# Altium PCB wifi-module.PcbDoc (part 1 of 2) (continued)
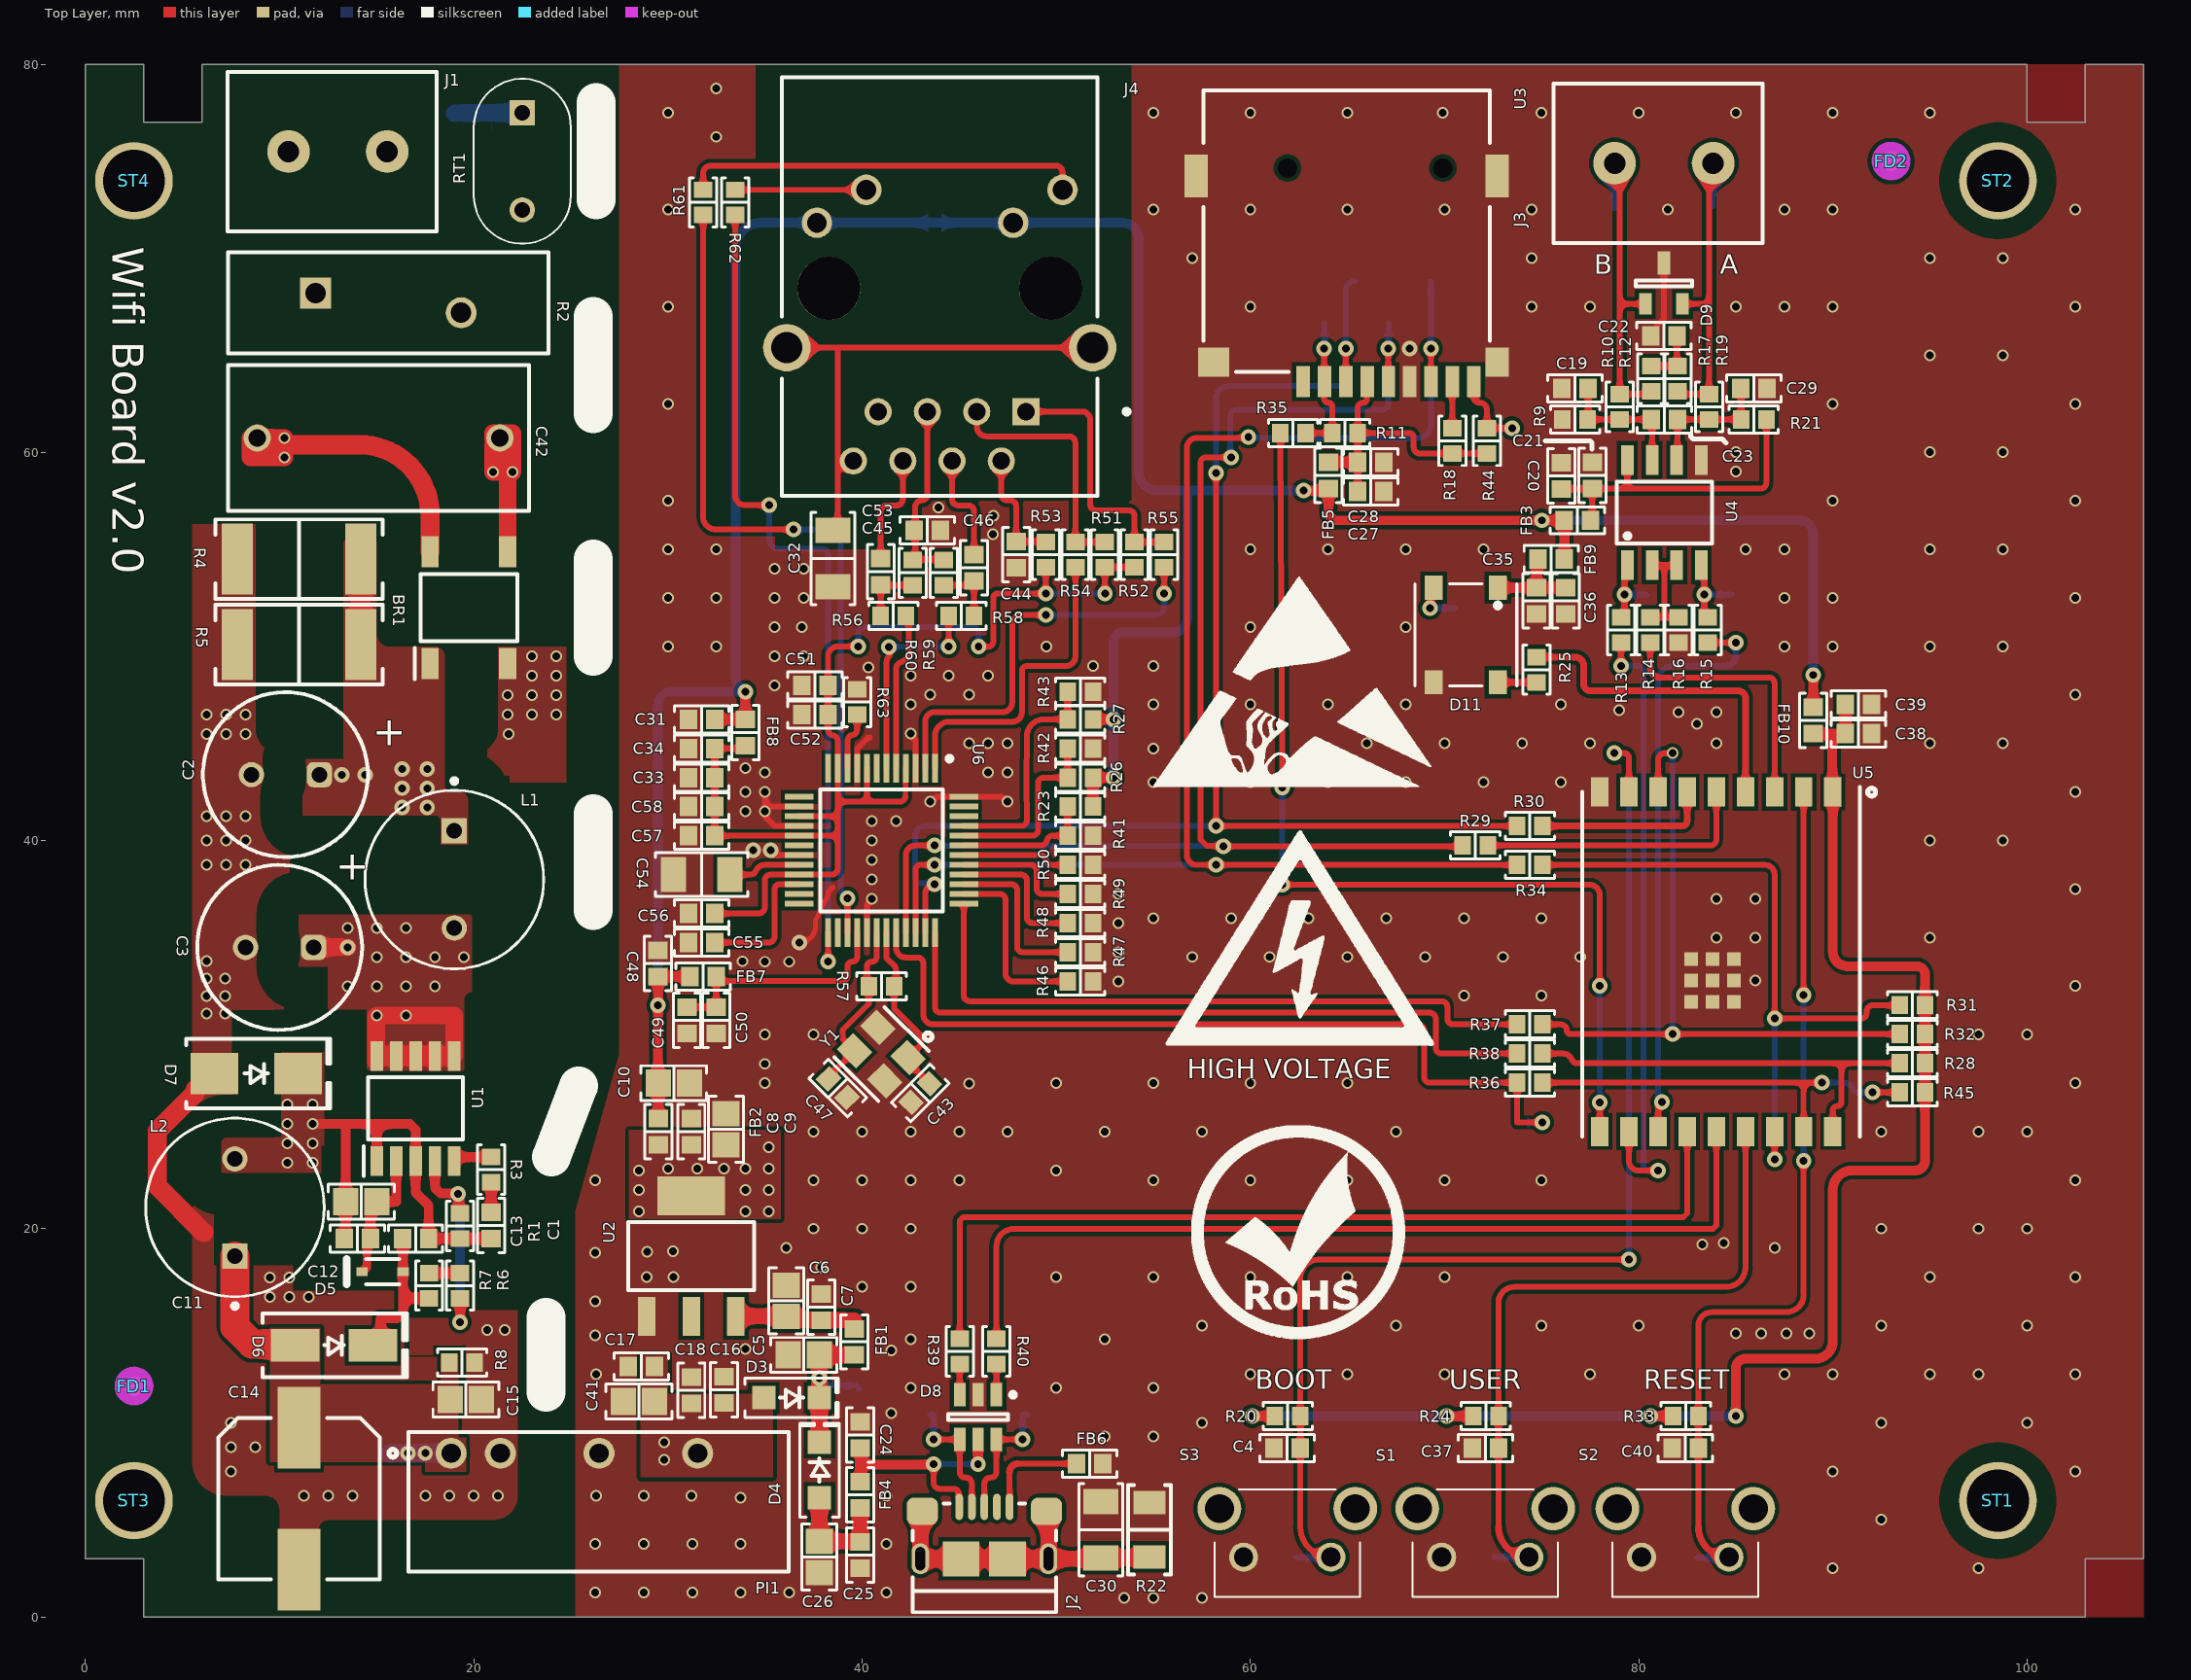
[diagram p0: Top Layer view]
## Components (designator, comment, footprint, x,y, rotation, side; value= is the part's Value field where it differs from the comment) (continued)
R28 "RC0603FR-0710KL" "RES 0603_1608" 94.096,28.53 r0 top value="10 kOhms"
R29 "RC0603FR-0722RL" "RES 0603_1608" 71.579,39.75 r180 top value="22 Ohms"
R30 "RC0603FR-0722RL" "RES 0603_1608" 74.396,40.75 r180 top value="22 Ohms"
R31 "RC0603FR-0710KL" "RES 0603_1608" 94.096,31.53 r180 top value="10 kOhms"
R32 "RC0603FR-0710KL" "RES 0603_1608" 94.096,30.03 r180 top value="10 kOhms"
R33 "RC0603FR-0710KL" "RES 0603_1608" 82.425,10.35 r180 top value="10 kOhms"
R34 "RC0603FR-0722RL" "RES 0603_1608" 74.396,38.75 r180 top value="22 Ohms"
R35 "RC0603FR-0722RL" "RES 0603_1608" 62.2,61 r0 top value="22 Ohms"
R36 "RC0603FR-0722RL" "RES 0603_1608" 74.396,27.53 r180 top value="22 Ohms"
R37 "RC0603FR-0722RL" "RES 0603_1608" 74.396,30.53 r180 top value="22 Ohms"
R38 "RC0603FR-0722RL" "RES 0603_1608" 74.396,29.03 r180 top value="22 Ohms"
R39 "RC0603FR-0722RL" "RES 0603_1608" 45.025,13.691 r270 top value="22 Ohms"
R40 "RC0603FR-0722RL" "RES 0603_1608" 46.92,13.691 r270 top value="22 Ohms"
R41 "RC0603FR-0710KL" "RES 0603_1608" 51.238,40.25 r180 top value="10 kOhms"
R42 "RC0603FR-0710KL" "RES 0603_1608" 51.238,44.75 r180 top value="10 kOhms"
R43 "RC0603FR-0710KL" "RES 0603_1608" 51.238,47.665 r180 top value="10 kOhms"
R44 "RC0603FR-0710KL" "RES 0603_1608" 72.189,60.6 r90 top value="10 kOhms"
R45 "RC0603FR-0710KL" "RES 0603_1608" 94.096,27.03 r0 top value="10 kOhms"
R46 "RC0603FR-0710KL" "RES 0603_1608" 51.238,32.75 r0 top value="10 kOhms"
R47 "RC0603FR-0710KL" "RES 0603_1608" 51.238,34.25 r0 top value="10 kOhms"
R48 "RC0603FR-0710KL" "RES 0603_1608" 51.238,35.75 r0 top value="10 kOhms"
R49 "RC0603FR-0710KL" "RES 0603_1608" 51.238,37.25 r0 top value="10 kOhms"
R50 "RC0603FR-0710KL" "RES 0603_1608" 51.238,38.75 r0 top value="10 kOhms"
R51 "RC0603FR-0749R9L" "RES 0603_1608" 52.509,54.734 r270 top value="49.9 Ohms"
R52 "RC0603FR-0749R9L" "RES 0603_1608" 54.033,54.734 r270 top value="49.9 Ohms"
R53 "RC0603FR-0710RL" "RES 0603_1608" 49.461,54.734 r270 top value="10 Ohms"
R54 "RC0603FR-0722RL" "RES 0603_1608" 50.985,54.734 r90 top value="22 Ohms"
R55 "RC0603FR-0722RL" "RES 0603_1608" 55.557,54.734 r90 top value="22 Ohms"
R56 "RC0603FR-0722RL" "RES 0603_1608" 41.615,51.588 r180 top value="22 Ohms"
R57 "RC0603FR-071ML" "RES 0603_1608" 41,32.5 r0 top value="1 MOhms"
R58 "RC0603FR-0722RL" "RES 0603_1608" 45.115,51.588 r0 top value="22 Ohms"
R59 "RC0603FR-0749R9L" "RES 0603_1608" 44.2,53.8 r270 top value="49.9 Ohms"
R60 "RC0603FR-0749R9L" "RES 0603_1608" 42.6,53.8 r270 top value="49.9 Ohms"
R61 "RC0603FR-071KL" "RES 0603_1608" 31.815,72.88 r270 top value="1 kOhms"
R62 "RC0603FR-071KL" "RES 0603_1608" 33.465,72.88 r270 top value="1 kOhms"
R63 "RC0603FR-0712K4L" "RES 0603_1608" 39.75,47.138 r270 top value="12.4 kOhms"
RT1 "B57153S0100M000" B57153S0100M000-Footprint-1 22.5,77.5 r270 top
S1 "KLS7-TS6606-8.0-180" KLS7TS660680180 72.1,3.81 r0 top
S2 "KLS7-TS6606-8.0-180" KLS7TS660680180 82.4,3.81 r0 top
S3 "KLS7-TS6606-8.0-180" KLS7TS660680180 61.9,3.81 r0 top
ST1 "PTH-M2D5X5" PTH-M2D5X5#1 103,6 r0 top
ST2 "PTH-M2D5X5" PTH-M2D5X5#2 103,73 r0 top
ST3 "PTH-M2D5X5" PTH-M2D5X5#3 4,9 r0 top
ST4 "PTH-M2D5X5" PTH-M2D5X5#4 5,73 r0 top
TP1 "TPAD1200" TPAD1200#1 19,77.5 r90 bottom
TP2 "TPAD1200" TPAD1200#1 43.762,71.854 r0 bottom
TP3 "TPAD1200" TPAD1200#1 33.674,8.416 r90 bottom
TP4 "TPAD1200" TPAD1200#1 43.475,10.436 r90 bottom
TP5 "TPAD1200" TPAD1200#1 48.475,10.436 r90 bottom
TP6 "TPAD1200" TPAD1200#1 78.71,72.6 r90 bottom
TP7 "TPAD1200" TPAD1200#1 83.79,72.7 r90 bottom
TP8 "TPAD1200" TPAD1200#1 67.1,66.65 r90 bottom
TP9 "TPAD1200" TPAD1200#1 65.375,68.85 r90 bottom
TP10 "TPAD1200" TPAD1200#1 69.3,68.85 r90 bottom
TP11 "TPAD1200" TPAD1200#2 73.77,25.414 r270 bottom
TP12 "TPAD1200" TPAD1200#1 63.8,66.65 r90 bottom
TP13 "TPAD1200" TPAD1200#1 84.8,52.7 r90 bottom
TP14 "TPAD1200" TPAD1200#1 80.365,52.675 r90 bottom
TP15 "TPAD1200" TPAD1200#3 60,25.01 r90 top
TP16 "TPAD1200" TPAD1200#3 98,16.26 r90 top
TP17 "TPAD1200" TPAD1200#1 14.676,42.016 r90 bottom
TP18 "TPAD1200" TPAD1200#1 18.551,30.966 r90 bottom
TP19 "TPAD1200" TPAD1200#4 62.346,3.075 r90 bottom
TP20 "TPAD1200" TPAD1200#5 83.07,3.059 r270 bottom
TP21 "TPAD1200" TPAD1200#1 15.68,8.44 r90 bottom
TP22 "TPAD1200" TPAD1200#1 39.849,11.766 r90 bottom
TP23 "TPAD1200" TPAD1200#1 8.875,62.15 r90 bottom
TP24 "TPAD1200" TPAD1200#1 23.276,44.516 r90 bottom
TP25 "TPAD1200" TPAD1200#1 6.375,12.55 r90 bottom
TP26 "TPAD1200" TPAD1200#6 72.189,61.25 r90 bottom
TP27 "TPAD1200" TPAD1200#1 42.325,7.85 r90 bottom
TP28 "TPAD1200" TPAD1200#1 70.53,51.96 r180 bottom
TP29 "TPAD1200" TPAD1200#1 72.5,3.1 r90 bottom
U1 "VIPER115LSTR" VIPER115LSTR-Footprint-1 17,26.2 r90 top
U2 "AZ1117IH-3.3TRG1" SOT-223-3 31.2,18.6 r90 top
U3 "XKTF-N02-N" MicroSD 64.912,71.4 r180 top
U4 "SP3485EN-L/TR" SP3485EN-L_TR-Footprint-1 81.325,56.9 r90 top
U5 "ESP32-C3-WROOM-02U-N4" ESP32C3WROOM02UN4 84.25,33.76 r270 top
U6 "W5500" "48-LQFP (7x7)" 41,39.5 r270 top
Y1 "ABM8G-25.000MHZ-18-D2Y-T" FP-ABM8G-MFG 41,29 r135 top

## Footprints (in the part's own frame and the unit in brackets; to place one, negate y for a bottom-side part, rotate by r counter-clockwise, add the part's x,y. Pads: shape width x height; smd on the part's side, far side on the other; paste and mask are expansions set on the pad)
"48-LQFP (7x7)" [mm]
  rect 1.475x0.3 smd: 1(-4.238,2.75) 2(-4.238,2.25) 3(-4.238,1.75) 4(-4.238,1.25) 5(-4.238,0.75) 6(-4.238,0.25) 7(-4.238,-0.25) 8(-4.238,-0.75) 9(-4.238,-1.25) 10(-4.238,-1.75) 11(-4.238,-2.25) 12(-4.238,-2.75) 25(4.238,-2.75) 26(4.238,-2.25) 27(4.238,-1.75) 28(4.238,-1.25) 29(4.238,-0.75) 30(4.238,-0.25) 31(4.238,0.25) 32(4.238,0.75) 33(4.238,1.25) 34(4.238,1.75) 35(4.238,2.25) 36(4.238,2.75)
  rect 0.3x1.475 smd: 13(-2.75,-4.238) 14(-2.25,-4.238) 15(-1.75,-4.238) 16(-1.25,-4.238) 17(-0.75,-4.238) 18(-0.25,-4.238) 19(0.25,-4.238) 20(0.75,-4.238) 21(1.25,-4.238) 22(1.75,-4.238) 23(2.25,-4.238) 24(2.75,-4.238) 37(2.75,4.238) 38(2.25,4.238) 39(1.75,4.238) 40(1.25,4.238) 41(0.75,4.238) 42(0.25,4.238) 43(-0.25,4.238) 44(-0.75,4.238) 45(-1.25,4.238) 46(-1.75,4.238) 47(-2.25,4.238) 48(-2.75,4.238)
  silkscreen extent -4.85,-3.15 3.15,3.63, body extent -4.5,-4.5 4.5,4.5, height 1.6
B0505S [mm] "SIP-4"
  round 1.6 hole 1: 1(-7.62,2.54) 2(-5.08,2.54) 4(0,2.54) 6(5.08,2.54)
  silkscreen extent -10.82,-3.56 9.78,3.64
B57153S0100M000-Footprint-1 [mm]
  rect 1.3x1.3 hole 0.8: 1(0,0)
  round 1.3 hole 0.8: 2(5,0)
  silkscreen extent -1.75,-2.5 6.75,2.5, body extent -1.83,-2.54 6.67,2.54, height 11.7
"CAP 0603_1608" [mm] "Chip Capacitor, 2-Leads, Body 1.60x0.80mm, IPC Medium Density"
  rect 0.9x1 smd: 1(-0.675,0) 2(0.675,0)
  silkscreen extent -1.4,-0.7 1.4,0.7, body extent -0.8,-0.41 0.8,0.41, height 0.82
"CAP 0805_2012" [mm] "Chip Capacitor, 2-Leads, Body 2.00x1.20mm, IPC Medium Density"
  rect 1.3x1.4 smd: 1(-0.8,0) 2(0.8,0)
  silkscreen extent -1.7,-0.9 1.7,0.9, body extent -1,-0.64 1,0.64, height 1.26
"CAP 1206_3216 - 0.8MM" [mm] "Chip Capacitor, 2-Leads, Body 3.25x1.60mm, IPC Medium Density"
  rect 1.3x1.8 smd: 1(-1.45,0) 2(1.45,0)
  silkscreen extent -2.37,-1.13 2.37,1.12, body extent -1.6,-0.8 1.6,0.8, height 0.8
"CAP ALSMD POLY 8.3MM H6.0MM" [mm] "Aluminum Electrolytic Capacitor, Body 8.30x8.30x6.0mm"
  rect 4.2x2.2 smd: 1(-3.65,0) 2(3.65,0)
  silkscreen extent -4.15,-4.15 4.15,4.15, body extent -4.5,-4.15 4.5,4.15, height 6
COM-16347-Footprint-1 [mm]
  rect 1.239x0.939 smd paste+0 mask+0: 1(-2.436,1.65) 2(-2.436,-1.65) 3(2.436,-1.65) 4(2.436,1.65)
  silkscreen extent -2.63,-2.63 2.63,2.63, body extent -2.71,-2.5 2.71,2.5, height 1.6
DIOD-SOD323-2-A_V [mm] "SOD-323, 2-Leads, Body 1.7x1.3mm, Lead Span 2.5mm"
  rect 0.59x0.45 smd: 1(-1.055,0) 2(1.055,0)
  silkscreen extent -0.85,-0.65 1.85,0.65, body extent -1.24,-0.7 1.24,0.7, height 1.2
"DO214AA SMB" [mm] "Molded Diode, 2-Leads, Body 4.31x3.62mm, IPC Medium Density"
  rect 2.45x2.15 smd: 1(-2.15,0) 2(2.15,0)
  silkscreen extent -3.6,-1.8 3.8,1.8, body extent -2.6,-1.8 2.6,1.8, height 2.4
"DO214AC SMA" [mm] "Molded Diode, 2-Leads, Body 4.30x2.60mm, IPC Medium Density"
  rect 2.5x1.7 smd: 1(-2,0) 2(2,0)
  silkscreen extent -3.68,-1.65 3.75,1.65, body extent -2.6,-1.37 2.6,1.37, height 2.4
ESP32C3WROOM02UN4 [mm]
  rect 1.5x0.9 smd: 1(-8.75,5.75) 2(-8.75,4.25) 3(-8.75,2.75) 4(-8.75,1.25) 5(-8.75,-0.25) 6(-8.75,-1.75) 7(-8.75,-3.25) 8(-8.75,-4.75) 9(-8.75,-6.25) 10(8.75,-6.25) 11(8.75,-4.75) 12(8.75,-3.25) 13(8.75,-1.75) 14(8.75,-0.25) 15(8.75,1.25) 16(8.75,2.75) 17(8.75,4.25) 18(8.75,5.75)
  rect 0.7x0.7 smd: 19(-0.14,-0.45) 19(-0.14,-1.55) 19(-0.14,0.65) 19(0.96,0.65) 19(0.96,-0.45) 19(0.96,-1.55) 19(2.06,-1.55) 19(2.06,-0.45) 19(2.06,0.65)
  silkscreen extent -9,-7.15 9,7.15, body extent -9,-7.35 9,6.95, height 3.21
"FCI USB 10118193-0001LF" [mm] "USB 2.0 Type B Micro"
  oval 0.4x1.35 smd: 1(1.3,-2.625) 2(0.65,-2.625) 3(0,-2.625) 4(-0.65,-2.625) 5(-1.3,-2.625)
  oval 0.9x1.6 hole 0.5 slot 1.2 at 90 deg: S(-3.3,0.05) S(3.3,0.05)
  rrect50% 1.6x1.4 smd: S(-3.2,-2.4) S(3.2,-2.4)
  rect 1.9x1.8 smd: S(-1.2,0.05) S(1.2,0.05)
  silkscreen extent -3.7,-2.8 3.7,2.8, body extent -3.93,-2.9 3.93,2.76, height 2.78
"FER 0603_1608" [mm] "Chip Ferrite, 2-Leads, Body 1.60x0.80mm, IPC Medium Density"
  rect 0.9x1 smd: 1(-0.675,0) 2(0.675,0)
  silkscreen extent -1.4,-0.7 1.4,0.7, body extent -0.8,-0.41 0.8,0.41, height 0.82
FID1X2R [mm] "Fiducial - Round 1x2mm"
  round 1 smd paste-0.5 mask+0.5: 0(0,0)
  Top Layer keep-out circle w1: c0,0 r0.5
FP-ABM8G-MFG [mm]
  rect 1.4x1.2 smd paste+0 mask+0: 1(-1.1,-0.85) 2(1.1,-0.85) 3(1.1,0.85) 4(-1.1,0.85)
  silkscreen extent -1.6,-1.82 1.6,1.83, body extent -1.9,-1.55 1.9,1.55, height 0.25
FP-J1B1211CCD-MFG [mm]
  rect 1.4x1.4 hole 0.9 paste-2539.97 mask+0: 1(-4.445,6.45)
  round 1.4 hole 0.9 paste-2539.97 mask+0: 2(-3.175,8.99) 3(-1.905,6.45) 4(-0.635,8.99) 5(0.635,6.45) 6(1.905,8.99) 7(3.175,6.45) 8(4.445,8.99)
  round 1.57 hole 1.02 paste-2539.97 mask+0: 9(-6.325,-4.98) 10(-3.785,-3.28) 11(3.785,-4.98) 12(6.325,-3.28)
  round 2.45 hole 1.6 paste-2539.97 mask+0: 13(-7.875,3.15) 14(7.875,3.15)
  round 3.25 hole 3.25 unplated paste-2539.97 mask+0: ""(-5.715,0.1) ""(5.715,0.1)
  silkscreen extent -9.75,-10.78 8.13,10.78, body extent -9.2,-10.87 9.2,10.87, height 0.25
FP-MOV-14D431K-MFG [mm]
  rect 1.6x1.6 hole 1.05 paste-2539.97 mask+0: 1(-3.75,0.5)
  round 1.6 hole 1.05 paste-2539.97 mask+0: 2(3.75,-0.5)
  silkscreen extent -8.25,-2.6 8.25,2.6, body extent -8.35,-2.7 8.35,2.7, height 0.25
FP-RLB0914-MFG [mm]
  rect 1.3x1.3 hole 0.8 paste-2539.97 mask+0: 1(-2.5,0)
  round 1.3 hole 0.8 paste-2539.97 mask+0: 2(2.5,0)
  silkscreen extent -5.2,-4.6 4.6,4.6, body extent -4.7,-4.7 4.7,4.7, height 0.25
KLS7TS660680180 [mm]
  round 1.5 hole 1: 1(-2.25,-0.725) 2(2.25,-0.725)
  round 2.25 hole 1.5: 3(-3.5,1.775) 4(3.5,1.775)
  silkscreen extent -3.75,-2.78 3.75,2.78, body extent -4.2,-5.25 4.2,3.5, height 7
MicroSD [mm]
  rect 0.7x1.6 smd: 1(2.2,7.75) 2(1.1,7.75) 3(0,7.75) 4(-1.1,7.75) 5(-2.2,7.75) 6(-3.3,7.75) 7(-4.4,7.75) 8(-5.5,7.75) CD1(-6.6,7.75)
  rect 1.2x1.5 smd: G1(-7.8,6.75)
  rect 1.2x2.2 smd: G2(-7.8,-2.85) G3(7.7,-2.85)
  rect 1.6x1.5 smd: G4(6.8,6.75)
  round 0.5 hole 1 unplated: MH1(-5,-3.25) MH2(3,-3.25)
  silkscreen extent -7.42,-7.25 7.33,7.25, body extent -8.22,-7.19 7.92,8, height 1.85
PTH-M2D5X5#1 [mm]
  round 4 hole 3.2: 1(-4.5,0)
PTH-M2D5X5#2 [mm]
  round 4 hole 3.2: 2(-4.5,1)
PTH-M2D5X5#3 [mm]
  round 4 hole 3.2: 1(-1.5,-3)
PTH-M2D5X5#4 [mm]
  round 4 hole 3.2: 1(-2.5,1)
"RES 0603_1608" [mm] "Chip Resistor, 2-Leads, Body 1.60x0.80mm, IPC Medium Density"
  rect 0.85x0.95 smd: 1(-0.65,0) 2(0.65,0)
  silkscreen extent -1.27,-0.7 1.27,0.7, body extent -0.8,-0.4 0.8,0.4, height 0.45
"RES 1206_3216" [mm] "Chip Resistor, 2-Leads, Body 3.13x1.55mm, IPC Medium Density"
  rect 1.2x1.65 smd: 1(-1.4,0) 2(1.4,0)
  silkscreen extent -2.3,-1.1 2.3,1.1, body extent -1.6,-0.8 1.6,0.8, height 0.6
"RES 2512_6432" [mm] "Chip Resistor, 2-Leads, Body 6.30x3.15mm, IPC Medium Density"
  rect 1.6x3.65 smd: 1(-3.175,0) 2(3.175,0)
  silkscreen extent -4.3,-2.05 4.3,2.05, body extent -3.15,-1.57 3.15,1.57, height 0.7
SOD123F [mm] "SODFL, 2-Leads, Body 1.60x3.50mm, IPC Medium Density"
  rect 1.2x1.2 smd: 1(-1.43,0) 2(1.43,0)
  silkscreen extent -2.41,-1.02 2.41,1.02, body extent -1.75,-0.8 1.75,0.8, height 1.1
SOP400P630X160-4N [mm]
  rect 1.6x0.9 smd: 1(-2.875,2) 2(-2.875,-2) 3(2.875,-2) 4(2.875,2)
  silkscreen extent -3.68,-2.5 1.73,2.8, body extent -3.15,-2.5 3.15,2.5, height 1.6
SOT-23-3 [mm]
  rect 1.1x0.65 smd: 1(-1.05,0.96) 2(-1.05,-0.96)
  rect 1.2x0.65 smd: 3(1.05,0)
  silkscreen extent -0.15,-1.45 0.15,1.45, body extent -1.2,-1.45 1.2,1.45, height 1.1
SOT-223-3 [mm]
  rect 2x0.9 smd: 1(-3.1,2.3) 2(-3.1,0) 3(-3.1,-2.3)
  rect 2x3.5 smd: 2(3.1,0)
  silkscreen extent -1.75,-3.25 1.75,3.25, body extent -3.5,-3.25 3.5,3.25, height 1.8
SP3485EN-L_TR-Footprint-1 [mm]
  rect 1.525x0.65 smd: 1(-2.712,1.905) 2(-2.712,0.635) 3(-2.712,-0.635) 4(-2.712,-1.905) 5(2.712,-1.905) 6(2.712,-0.635) 7(2.712,0.635) 8(2.712,1.905)
  silkscreen extent -1.6,-2.45 1.6,2.45, body extent -3,-2.45 3,2.45, height 1.75
STM-SOT23-6L_V [mm] "SOT23, 6-Leads, Body 3.05x1.75mm, Pitch 0.95mm"
  rect 1.2x0.6 smd: 1(-1.15,0.95) 2(-1.15,0) 3(-1.15,-0.95) 4(1.15,-0.95) 5(1.15,0) 6(1.15,0.95)
  silkscreen extent -1.27,-1.55 0.15,1.93, body extent -1.6,-1.53 1.6,1.53, height 1.45
"TE 282837-2" [mm] "Wire to Board Terminal Block Horizontal with Board, 2 Postions, Body 10.76x8.2 mm, Pitch 5.08mm"
  round 2.2 hole 1.1: 1(-2.54,0) 2(2.54,0)
  silkscreen extent -5.08,-4.1 5.68,4.1, body extent -5.08,-4.1 5.68,4.1, height 10.3
TPAD1200#1 [mm] "1.2mm round"
  round 1.2 smd paste-1: 1(-0.016,0.024)
TPAD1200#2 [mm] "1.2mm round"
  round 1.2 smd paste-1: 1(-0.066,0.024)
TPAD1200#3 [mm] "1.2mm round"
  round 1.2 smd far side paste-1: 1(-0.016,0.024)
TPAD1200#4 [mm] "1.2mm round"
  round 1.2 smd paste-1: 1(0.01,0)
TPAD1200#5 [mm] "1.2mm round"
  round 1.2 smd paste-1: 1(-0.026,0.024)
TPAD1200#6 [mm] "1.2mm round"
  round 1.2 smd paste-1: 1(0,0.024)
VIPER115LSTR-Footprint-1 [mm]
  rect 1.525x0.65 smd: 1(-2.712,2) 2(-2.712,1) 3(-2.712,0) 4(-2.712,-1) 5(-2.712,-2) 6(2.712,-2) 7(2.712,-1) 8(2.712,0) 9(2.712,1) 10(2.712,2)
  silkscreen extent -3.47,-2.45 1.6,2.68, body extent -3,-2.45 3,2.45, height 1.75
WCAP-ATG8_D8H11.5 [mm] "Aluminum Electrolytic Capacitors, 8x11.5mm"
  rrect50% 1.3x1.3 hole 0.8: 1(1.75,0)
  round 1.3 hole 0.8: 2(-1.75,0)
  silkscreen extent -4.25,-4.25 4.25,4.25, body extent -3.99,-4 4,4, height 11.81
WCAP-FTX2_L15W7H12.5 [mm] "Film Capacitors, 15x7x12.5mm"
  round 1.4 hole 0.9: 1(-6.25,0) 2(6.25,0)
  silkscreen extent -7.75,-3.75 7.75,3.75, body extent -7.5,-3.5 7.5,3.5, height 12.55

## Part data
BR1: "Bridge Rectifier", Manufacturer_Name=MDD, Datasheet Link=https://datasheet.lcsc.com/szlcsc/1903041530_MDD-Jiangsu-Yutai-Elec-ABS210_C113925.pdf, Height=1.6mm, Manufacturer_Part_Number=ABS210
C1 C18: library part CMP-214-008774-1, "CAP CER 1000PF 50V X7R 0603", Capacitance="1000 pF", Device Package="0603 (1608 Metric)", manufacturer=KEMET, Operating Temperature="-55°C ~ 125°C", Ratings=AEC-Q200, Temperature Coefficient=X7R, Tolerance=±10%, Voltage - Rated=50V, Applications="Automotive, Bypass, Decoupling", componentlink1description=Datasheet, componentlink1url=https://connect.kemet.com:7667/gateway/IntelliData-ComponentDocumentation/1.0/download/datasheet/C0603C102K5RACAUTO7411, componentlink2description="DigiKey Link", componentlink2url=https://www.digikey.com/en/products/detail/kemet/C0603C102K5RACAUTO7411/11676491, lastupdated="9/4/2023 7:08:10 PM", Lifecycle Status=Active, Minimum Order=1, Mounting Type="Surface Mount, MLCC", Package / Case="0603 (1608 Metric)", packaging=TapeAndReel, Part Number=C0603C102K5RACAUTO7411, Part Status=Active, partid=47213, price=0.01, series="SMD Auto X7R", Size / Dimension="0.063\" L x 0.031\" W (1.60mm x 0.80mm)", Thickness (Max)="0.034\" (0.87mm)"
C2 C3: library part CMP-001-00289-1, "WCAP-ATG8 Aluminum Electrolytic Capacitor, Radial, THT, D8 x H11.5mm, 4.7uF, 400V", Capacitance Tolerance=+/-20%, Leakage Current=56.4uA, manufacturer="Wurth Elektronik", Operating Temperature Max=85°C, Operating Temperature Min=-25°C, Rated Voltage (DC)=400V, Ripple Current=55mA, Category="Aluminum Electrolytic Capacitors", componentlink1description="Website Link", componentlink1url=https://www.we-online.com/redexpert/article/860011374005?ad, componentlink2description="Datasheet Link", componentlink2url=https://www.we-online.com/redexpert/spec/860011374005?ad, Diameter=8mm, Dissipation Factor=15%, Endurance=2000h, Height=11.5mm, Manufacturer Part Number=860011374005, Match Code=WCAP-ATG8, Mount="Through Hole", packaging="Ammo Pack", Simulation File=Simulations\WCAP-ATG8.ckt, Simulation ModelName=860011374005_4.7uF, Technical Reference=ATAE1154R7M400DSPA7B000
C4 C7 C8 C12 C16 C21 C24 C25 C28 C31 C34 C36 C37 C39 C40 C48 C50 C51 C52 C56 C57 C58: library part CMP-214-002418-1, "CAP CER 0.1UF 50V X7R 0603", Capacitance="0.1 µF", Device Package="0603 (1608 Metric)", manufacturer=Yageo, Operating Temperature="-55°C ~ 125°C", Temperature Coefficient=X7R, Tolerance=±5%, Voltage - Rated=50V, Applications="General Purpose", componentlink1description=Datasheet, componentlink1url=https://www.yageo.com/upload/media/product/productsearch/datasheet/mlcc/UPY-GPHC_X7R_6.3V-to-50V_18.pdf, componentlink2description="DigiKey Link", componentlink2url=https://www.digikey.com/en/products/detail/yageo/CC0603JRX7R9BB104/5195188, lastupdated="9/4/2023 7:08:38 PM", Lifecycle Status=Active, Minimum Order=1, Mounting Type="Surface Mount, MLCC", Package / Case="0603 (1608 Metric)", packaging=TapeAndReel, Part Number=CC0603JRX7R9BB104, Part Status=Active, partid=12474, price=0.01, series=CC, Size / Dimension="0.063\" L x 0.031\" W (1.60mm x 0.80mm)", Thickness (Max)="0.035\" (0.90mm)"
C5 C6 C9 C10 C11 C15 C26 C41: library part CMP-215-002141-1, "CAP CER 10UF 25V X5R 0805", Capacitance="10 µF", Device Package="0805 (2012 Metric)", manufacturer="Samsung Electro-Mechanics", Operating Temperature="-55°C ~ 85°C", Temperature Coefficient=X5R, Tolerance=±10%, Voltage - Rated=25V, Applications="General Purpose", componentlink1description=Datasheet, componentlink1url=http://www.samsungsem.com/kr/support/product-search/mlcc/CL21A106KAYNNNE.jsp, componentlink2description="DigiKey Link", componentlink2url=https://www.digikey.com/en/products/detail/samsung-electro-mechanics/CL21A106KAYNNNE/3888549, lastupdated="9/4/2023 7:11:56 PM", Lifecycle Status=Active, Minimum Order=1, Mounting Type="Surface Mount, MLCC", Package / Case="0805 (2012 Metric)", packaging=TapeAndReel, Part Number=CL21A106KAYNNNE, Part Status=Active, partid=13105, price=0.02, series=CL, Size / Dimension="0.079\" L x 0.049\" W (2.00mm x 1.25mm)", Thickness (Max)="0.057\" (1.45mm)"
C13: library part CMP-214-001809-1, "CAP CER 0.022UF 50V X7R 0603", Capacitance="0.022 µF", Device Package="0603 (1608 Metric)", manufacturer="Samsung Electro-Mechanics", Operating Temperature="-55°C ~ 125°C", Temperature Coefficient=X7R, Tolerance=±10%, Voltage - Rated=50V, Applications="General Purpose", componentlink1description=Datasheet, componentlink1url=http://www.samsungsem.com/kr/support/product-search/mlcc/CL10B223KB8NNNC.jsp, componentlink2description="DigiKey Link", componentlink2url=https://www.digikey.com/en/products/detail/samsung-electro-mechanics/CL10B223KB8NNNC/3886762, lastupdated="9/4/2023 7:08:42 PM", Lifecycle Status=Active, Minimum Order=1, Mounting Type="Surface Mount, MLCC", Package / Case="0603 (1608 Metric)", packaging=TapeAndReel, Part Number=CL10B223KB8NNNC, Part Status=Active, partid=9905, price=0.01, series=CL, Size / Dimension="0.063\" L x 0.031\" W (1.60mm x 0.80mm)", Thickness (Max)="0.035\" (0.90mm)"
C14: library part CMP-209-000859-1, "CAP ALUM POLY 100UF 20% 35V SMD", Capacitance="100 µF", ESR (Equivalent Series Resistance)=36mOhm, Lifetime @ Temp.="2000 Hrs @ 125°C", manufacturer=KEMET, Operating Temperature="-55°C ~ 125°C", Ripple Current @ High Frequency="1.4 A @ 100 kHz", Ripple Current @ Low Frequency="70 mA @ 120 Hz", Tolerance=±20%, Voltage - Rated="35 V", Applications="General Purpose", componentlink1description=Datasheet, componentlink1url=https://connect.kemet.com:7667/gateway/IntelliData-ComponentDocumentation/1.0/download/datasheet/A768KE107M1VLAE036, componentlink2description="DigiKey Link", componentlink2url=https://www.digikey.com/en/products/detail/kemet/A768KE107M1VLAE036/13420090, Height - Seated (Max)="0.236\" (6.00mm)", lastupdated="9/4/2023 8:34:42 PM", Lifecycle Status=Active, Minimum Order=1, Mounting Type="Surface Mount", packaging=TapeAndReel, Part Number=A768KE107M1VLAE036, Part Status=Active, partid=5230, price=0.16, series=A768, Size / Dimension="0.315\" Dia (8.00mm)", Surface Mount Land Size="0.327\" L x 0.327\" W (8.30mm x 8.30mm)", type=Polymer
C17 C22 C53 C55: library part CMP-214-000783-1, "CAP CER 10000PF 50V X7R 0603", Capacitance="10000 pF", Device Package="0603 (1608 Metric)", manufacturer="Samsung Electro-Mechanics", Operating Temperature="-55°C ~ 125°C", Temperature Coefficient=X7R, Tolerance=±10%, Voltage - Rated=50V, Applications="General Purpose", componentlink1description=Datasheet, componentlink1url=http://www.samsungsem.com/kr/support/product-search/mlcc/CL10B103KB8NNNC.jsp, componentlink2description="DigiKey Link", componentlink2url=https://www.digikey.com/en/products/detail/samsung-electro-mechanics/CL10B103KB8NNNC/3886667, lastupdated="9/4/2023 7:08:47 PM", Lifecycle Status=Active, Minimum Order=1, Mounting Type="Surface Mount, MLCC", Package / Case="0603 (1608 Metric)", packaging=TapeAndReel, Part Number=CL10B103KB8NNNC, Part Status=Active, partid=5498, price=0.01, series=CL, Size / Dimension="0.063\" L x 0.031\" W (1.60mm x 0.80mm)", Thickness (Max)="0.035\" (0.90mm)"
C19 C23 C29: library part CMP-214-001827-1, "CAP CER 100PF 50V C0G/NP0 0603", Capacitance="100 pF", Device Package="0603 (1608 Metric)", manufacturer="Samsung Electro-Mechanics", Operating Temperature="-55°C ~ 125°C", Ratings=AEC-Q200, Temperature Coefficient="C0G, NP0", Tolerance=±5%, Voltage - Rated=50V, Applications=Automotive, componentlink1description=Datasheet, componentlink1url=http://www.samsungsem.com/kr/support/product-search/mlcc/CL10C101JB81PNC.jsp, componentlink2description="DigiKey Link", componentlink2url=https://www.digikey.com/en/products/detail/samsung-electro-mechanics/CL10C101JB81PNC/3887820, lastupdated="9/4/2023 7:08:42 PM", Lifecycle Status=Active, Minimum Order=1, Mounting Type="Surface Mount, MLCC", Package / Case="0603 (1608 Metric)", packaging=TapeAndReel, Part Number=CL10C101JB81PNC, Part Status=Active, partid=9987, price=0.01, series=CL, Size / Dimension="0.063\" L x 0.031\" W (1.60mm x 0.80mm)", Thickness (Max)="0.035\" (0.90mm)"
C20 C27 C33 C35 C38 C49: library part CMP-214-007386-1, "CAP CER 10UF 6.3V X5R 0603", Capacitance="10 µF", Device Package="0603 (1608 Metric)", manufacturer="Samsung Electro-Mechanics", Operating Temperature="-55°C ~ 85°C", Temperature Coefficient=X5R, Tolerance=±20%, Voltage - Rated=6.3V, Applications="General Purpose", componentlink1description=Datasheet, componentlink1url=http://www.samsungsem.com/kr/support/product-search/mlcc/CL10A106MQ8NNNC.jsp, componentlink2description="DigiKey Link", componentlink2url=https://www.digikey.com/en/products/detail/samsung-electro-mechanics/CL10A106MQ8NNNC/3886777, lastupdated="9/4/2023 7:08:47 PM", Lifecycle Status=Active, Minimum Order=1, Mounting Type="Surface Mount, MLCC", Package / Case="0603 (1608 Metric)", packaging=TapeAndReel, Part Number=CL10A106MQ8NNNC, Part Status=Active, partid=39822, price=0.01, series=CL, Size / Dimension="0.063\" L x 0.031\" W (1.60mm x 0.80mm)", Thickness (Max)="0.035\" (0.90mm)"
C30: library part CMP-216-004562-1, "CAP CER 2200PF 2KV X7R 1206", Capacitance="2200 pF", Device Package="1206 (3216 Metric)", manufacturer=KEMET, Operating Temperature="-55°C ~ 125°C", Temperature Coefficient=X7R, Tolerance=±10%, Voltage - Rated="2000V (2kV)", Applications="Boardflex Sensitive", componentlink1description=Datasheet, componentlink1url=https://api.kemet.com/component-edge/download/datasheet/C1206X222KGRAC7800.pdf, componentlink2description="DigiKey Link", componentlink2url=https://www.digikey.com/en/products/detail/kemet/C1206X222KGRAC7800/6126197, Features="Low ESL, Soft Termination, High Voltage", lastupdated="9/4/2023 7:14:42 PM", Lifecycle Status=Active, Minimum Order=1, Mounting Type="Surface Mount, MLCC", Package / Case="1206 (3216 Metric)", packaging=TapeAndReel, Part Number=C1206X222KGRAC7800, Part Status=Active, partid=41595, price=0.16, series="SMD Comm X7R HV Flex", Size / Dimension="0.130\" L x 0.063\" W (3.30mm x 1.60mm)", Thickness (Max)="0.073\" (1.85mm)"
C32: library part CMP-216-005573-1, "CAP CER 1000PF 2KV X7R 1206", Capacitance="1000 pF", Device Package="1206 (3216 Metric)", manufacturer="Johanson Dielectrics Inc.", Operating Temperature="-55°C ~ 125°C", Temperature Coefficient=X7R, Tolerance=±10%, Voltage - Rated="2000V (2kV)", Applications="SMPS Filtering", componentlink1description=Datasheet, componentlink1url=https://www.johansondielectrics.com/downloads/catalog/johanson-dielectrics-product-catalog.pdf, componentlink2description="DigiKey Link", componentlink2url=https://www.digikey.com/en/products/detail/johanson-dielectrics-inc/VPDD202W102K1GV001E/1556359, Features="High Voltage", lastupdated="9/4/2023 7:13:44 PM", Lifecycle Status=Active, Minimum Order=1, Mounting Type="Surface Mount, MLCC", Package / Case="1206 (3216 Metric)", packaging=TapeAndReel, Part Number=VPDD202W102K1GV001E, Part Status=Active, partid=47912, price=0.02, series=HVS-PME, Size / Dimension="0.125\" L x 0.062\" W (3.18mm x 1.57mm)", Thickness (Max)="0.067\" (1.70mm)"